# Altium PCB mantarray_beta_drv425_Mounting_Holes.PcbDoc (part 1 of 5) (continued)
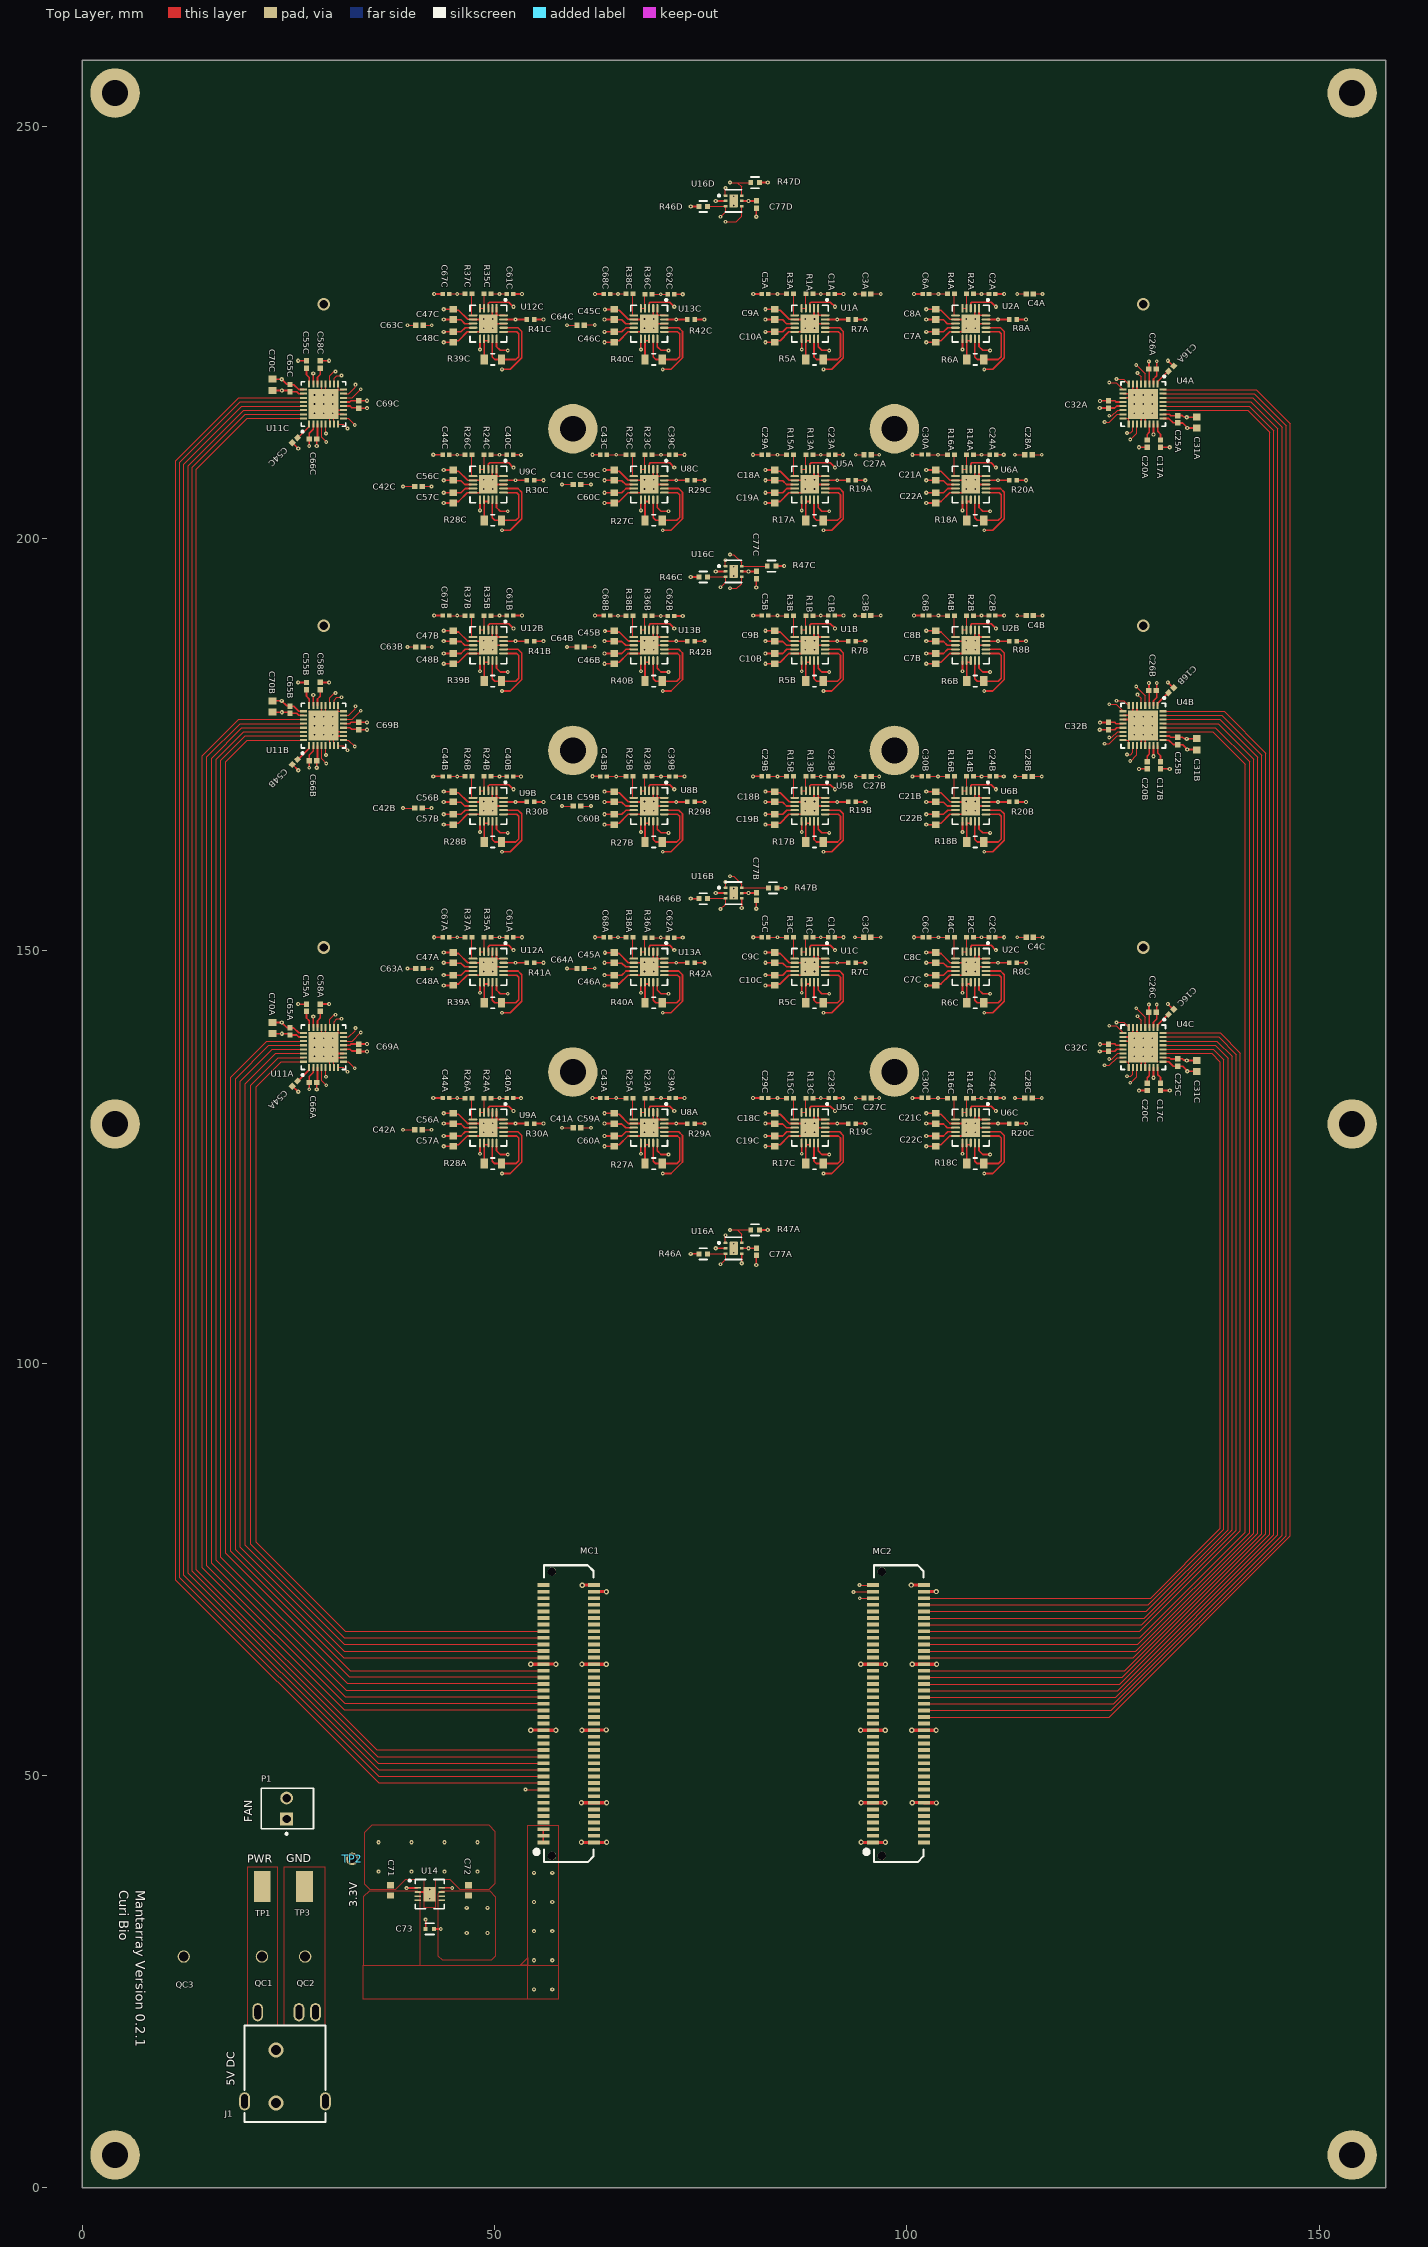
[diagram p0: Top Layer view]
## Classes and differential pairs (continued)
net class POWER: +5V AVDD GND REGCAPALA REGCAPALB REGCAPALC REGCAPARA REGCAPARB REGCAPARC REGCAPDLA REGCAPDLB REGCAPDLC REGCAPDRA REGCAPDRB REGCAPDRC
component class BRD1: MC1 MC2
differential pair A4LC: +A4LC_P -A4LC_N
differential pair A4LB: +A4LB_P -A4LB_N
differential pair A4LA: +A4LA_P -A4LA_N
differential pair A3LC: +A3LC_P -A3LC_N
differential pair A3LB: +A3LB_P -A3LB_N
differential pair A3LA: +A3LA_P -A3LA_N
differential pair A2LC: +A2LC_P -A2LC_N
differential pair A2LB: +A2LB_P -A2LB_N
differential pair A2LA: +A2LA_P -A2LA_N
differential pair A1LC: +A1LC_P -A1LC_N
differential pair A1LB: +A1LB_P -A1LB_N
differential pair A1LA: +A1LA_P -A1LA_N
differential pair A4RC: +A4RC_P -A4RC_N
differential pair A4RB: +A4RB_P -A4RB_N
differential pair A4RA: +A4RA_P -A4RA_N
differential pair A3RC: +A3RC_P -A3RC_N
differential pair A3RB: +A3RB_P -A3RB_N
differential pair A3RA: +A3RA_P -A3RA_N
differential pair A2RC: +A2RC_P -A2RC_N
differential pair A2RB: +A2RB_P -A2RB_N
differential pair A2RA: +A2RA_P -A2RA_N
differential pair A1RC: +A1RC_P -A1RC_N
differential pair A1RB: +A1RB_P -A1RB_N
differential pair A1RA: +A1RA_P -A1RA_N

## Components (designator, comment, footprint, x,y, rotation, side; value= is the part's Value field where it differs from the comment)
C1A "GRM155R71C103KA01J" CAPC1005X55X25LL05T10 90.875,229.65 r180 top (schematic designator C1)
C1B "GRM155R71C103KA01J" CAPC1005X55X25LL05T10 90.875,190.65 r180 top (schematic designator C1)
C1C "GRM155R71C103KA01J" CAPC1005X55X25LL05T10 90.875,151.65 r180 top (schematic designator C1)
C2A "GRM155R71C103KA01J" CAPC1005X55X25LL05T10 110.35,229.65 r180 top (schematic designator C2)
C2B "GRM155R71C103KA01J" CAPC1005X55X25LL05T10 110.35,190.65 r180 top (schematic designator C2)
C2C "GRM155R71C103KA01J" CAPC1005X55X25LL05T10 110.35,151.65 r180 top (schematic designator C2)
C3A "GRM155R71C104KA88D" CAPC1005X55X25NL05T10 95.205,229.65 r180 top (schematic designator C3)
C3B "GRM155R71C104KA88D" CAPC1005X55X25NL05T10 95.205,190.65 r180 top (schematic designator C3)
C3C "GRM155R71C104KA88D" CAPC1005X55X25NL05T10 95.205,151.65 r180 top (schematic designator C3)
C4A "GRM155R71C104KA88D" CAPC1005X55X25NL05T10 114.9,229.65 r180 top (schematic designator C4)
C4B "GRM155R71C104KA88D" CAPC1005X55X25NL05T10 114.9,190.65 r180 top (schematic designator C4)
C4C "GRM155R71C104KA88D" CAPC1005X55X25NL05T10 114.9,151.65 r180 top (schematic designator C4)
C5A "GRM155R71C103KA01J" CAPC1005X55X25LL05T10 82.81,229.65 r0 top (schematic designator C5)
C5B "GRM155R71C103KA01J" CAPC1005X55X25LL05T10 82.81,190.65 r0 top (schematic designator C5)
C5C "GRM155R71C103KA01J" CAPC1005X55X25LL05T10 82.81,151.65 r0 top (schematic designator C5)
C6A "GRM155R71C103KA01J" CAPC1005X55X25LL05T10 102.3,229.65 r0 top (schematic designator C6)
C6B "GRM155R71C103KA01J" CAPC1005X55X25LL05T10 102.3,190.65 r0 top (schematic designator C6)
C6C "GRM155R71C103KA01J" CAPC1005X55X25LL05T10 102.3,151.65 r0 top (schematic designator C6)
C7A "C0603C105K3RACTU" CAPC1608X87X35LL15T15 103.5,224.425 r90 top (schematic designator C7)
C7B "C0603C105K3RACTU" CAPC1608X87X35LL15T15 103.5,185.425 r90 top (schematic designator C7)
C7C "C0603C105K3RACTU" CAPC1608X87X35LL15T15 103.5,146.425 r90 top (schematic designator C7)
C8A "C0603C105K3RACTU" CAPC1608X87X35LL15T15 103.5,227.175 r270 top (schematic designator C8)
C8B "C0603C105K3RACTU" CAPC1608X87X35LL15T15 103.5,188.175 r270 top (schematic designator C8)
C8C "C0603C105K3RACTU" CAPC1608X87X35LL15T15 103.5,149.175 r270 top (schematic designator C8)
C9A "C0603C105K3RACTU" CAPC1608X87X35LL15T15 84,227.175 r270 top (schematic designator C9)
C9B "C0603C105K3RACTU" CAPC1608X87X35LL15T15 84,188.175 r270 top (schematic designator C9)
C9C "C0603C105K3RACTU" CAPC1608X87X35LL15T15 84,149.175 r270 top (schematic designator C9)
C10A "C0603C105K3RACTU" CAPC1608X87X35LL15T15 84,224.425 r90 top (schematic designator C10)
C10B "C0603C105K3RACTU" CAPC1608X87X35LL15T15 84,185.425 r90 top (schematic designator C10)
C10C "C0603C105K3RACTU" CAPC1608X87X35LL15T15 84,146.425 r90 top (schematic designator C10)
C16A "GRM155R71C104KA88D" CAPC1005X55X25NL05T10 132.039,220.589 r225 top (schematic designator C16)
C16B "GRM155R71C104KA88D" CAPC1005X55X25NL05T10 132.039,181.589 r225 top (schematic designator C16)
C16C "GRM155R71C104KA88D" CAPC1005X55X25NL05T10 132.039,142.589 r225 top (schematic designator C16)
C17A "GRM155R71C104KA88D" CAPC1005X55X25NL05T10 130.75,211.5 r90 top (schematic designator C17)
C17B "GRM155R71C104KA88D" CAPC1005X55X25NL05T10 130.75,172.5 r90 top (schematic designator C17)
C17C "GRM155R71C104KA88D" CAPC1005X55X25NL05T10 130.75,133.5 r90 top (schematic designator C17)
C18A "C0603C105K3RACTU" CAPC1608X87X35LL15T15 84,207.675 r270 top (schematic designator C18)
C18B "C0603C105K3RACTU" CAPC1608X87X35LL15T15 84,168.675 r270 top (schematic designator C18)
C18C "C0603C105K3RACTU" CAPC1608X87X35LL15T15 84,129.675 r270 top (schematic designator C18)
C19A "C0603C105K3RACTU" CAPC1608X87X35LL15T15 84,204.925 r90 top (schematic designator C19)
C19B "C0603C105K3RACTU" CAPC1608X87X35LL15T15 84,165.925 r90 top (schematic designator C19)
C19C "C0603C105K3RACTU" CAPC1608X87X35LL15T15 84,126.925 r90 top (schematic designator C19)
C20A "GRM155R71C104KA88D" CAPC1005X55X25NL05T10 129.15,211.5 r90 top (schematic designator C20)
C20B "GRM155R71C104KA88D" CAPC1005X55X25NL05T10 129.15,172.5 r90 top (schematic designator C20)
C20C "GRM155R71C104KA88D" CAPC1005X55X25NL05T10 129.15,133.5 r90 top (schematic designator C20)
C21A "C0603C105K3RACTU" CAPC1608X87X35LL15T15 103.5,207.675 r270 top (schematic designator C21)
C21B "C0603C105K3RACTU" CAPC1608X87X35LL15T15 103.5,168.675 r270 top (schematic designator C21)
C21C "C0603C105K3RACTU" CAPC1608X87X35LL15T15 103.5,129.675 r270 top (schematic designator C21)
C22A "C0603C105K3RACTU" CAPC1608X87X35LL15T15 103.5,204.925 r90 top (schematic designator C22)
C22B "C0603C105K3RACTU" CAPC1608X87X35LL15T15 103.5,165.925 r90 top (schematic designator C22)
C22C "C0603C105K3RACTU" CAPC1608X87X35LL15T15 103.5,126.925 r90 top (schematic designator C22)
C23A "GRM155R71C103KA01J" CAPC1005X55X25LL05T10 90.925,210.15 r180 top (schematic designator C23)
C23B "GRM155R71C103KA01J" CAPC1005X55X25LL05T10 90.925,171.15 r180 top (schematic designator C23)
C23C "GRM155R71C103KA01J" CAPC1005X55X25LL05T10 90.925,132.15 r180 top (schematic designator C23)
C24A "GRM155R71C103KA01J" CAPC1005X55X25LL05T10 110.43,210.15 r180 top (schematic designator C24)
C24B "GRM155R71C103KA01J" CAPC1005X55X25LL05T10 110.43,171.15 r180 top (schematic designator C24)
C24C "GRM155R71C103KA01J" CAPC1005X55X25LL05T10 110.43,132.15 r180 top (schematic designator C24)
C25A "GRM155R71C104KA88D" CAPC1005X55X25NL05T10 132.85,214.45 r90 top (schematic designator C25)
C25B "GRM155R71C104KA88D" CAPC1005X55X25NL05T10 132.85,175.45 r90 top (schematic designator C25)
C25C "GRM155R71C104KA88D" CAPC1005X55X25NL05T10 132.85,136.45 r90 top (schematic designator C25)
C26A "GRM155R71C104KA88D" CAPC1005X55X25NL05T10 129.8,220.55 r0 top (schematic designator C26)
C26B "GRM155R71C104KA88D" CAPC1005X55X25NL05T10 129.8,181.55 r0 top (schematic designator C26)
C26C "GRM155R71C104KA88D" CAPC1005X55X25NL05T10 129.8,142.55 r0 top (schematic designator C26)
C27A "GRM155R71C104KA88D" CAPC1005X55X25NL05T10 95.25,210.15 r180 top (schematic designator C27)
C27B "GRM155R71C104KA88D" CAPC1005X55X25NL05T10 95.25,171.15 r180 top (schematic designator C27)
C27C "GRM155R71C104KA88D" CAPC1005X55X25NL05T10 95.25,132.15 r180 top (schematic designator C27)
C28A "GRM155R71C104KA88D" CAPC1005X55X25NL05T10 114.75,210.15 r180 top (schematic designator C28)
C28B "GRM155R71C104KA88D" CAPC1005X55X25NL05T10 114.75,171.15 r180 top (schematic designator C28)
C28C "GRM155R71C104KA88D" CAPC1005X55X25NL05T10 114.75,132.15 r180 top (schematic designator C28)
C29A "GRM155R71C103KA01J" CAPC1005X55X25LL05T10 82.81,210.15 r0 top (schematic designator C29)
C29B "GRM155R71C103KA01J" CAPC1005X55X25LL05T10 82.81,171.15 r0 top (schematic designator C29)
C29C "GRM155R71C103KA01J" CAPC1005X55X25LL05T10 82.81,132.15 r0 top (schematic designator C29)
C30A "GRM155R71C103KA01J" CAPC1005X55X25LL05T10 102.22,210.175 r0 top (schematic designator C30)
C30B "GRM155R71C103KA01J" CAPC1005X55X25LL05T10 102.22,171.175 r0 top (schematic designator C30)
C30C "GRM155R71C103KA01J" CAPC1005X55X25LL05T10 102.22,132.175 r0 top (schematic designator C30)
C31A "GRM188R61C106MA73D" CAPC1608X90X35NL10T15 135.15,214.05 r90 top (schematic designator C31)
C31B "GRM188R61C106MA73D" CAPC1608X90X35NL10T15 135.15,175.05 r90 top (schematic designator C31)
C31C "GRM188R61C106MA73D" CAPC1608X90X35NL10T15 135.15,136.05 r90 top (schematic designator C31)
C32A "GRM155R71C104KA88D" CAPC1005X55X25NL05T10 124.433,216.248 r90 top (schematic designator C32)
C32B "GRM155R71C104KA88D" CAPC1005X55X25NL05T10 124.433,177.248 r90 top (schematic designator C32)
C32C "GRM155R71C104KA88D" CAPC1005X55X25NL05T10 124.433,138.248 r90 top (schematic designator C32)
C39A "GRM155R71C103KA01J" CAPC1005X55X25LL05T10 71.6,132.146 r180 top (schematic designator C39)
C39B "GRM155R71C103KA01J" CAPC1005X55X25LL05T10 71.6,171.146 r180 top (schematic designator C39)
C39C "GRM155R71C103KA01J" CAPC1005X55X25LL05T10 71.6,210.146 r180 top (schematic designator C39)
C40A "GRM155R71C103KA01J" CAPC1005X55X25LL05T10 51.89,132.146 r180 top (schematic designator C40)
C40B "GRM155R71C103KA01J" CAPC1005X55X25LL05T10 51.89,171.146 r180 top (schematic designator C40)
C40C "GRM155R71C103KA01J" CAPC1005X55X25LL05T10 51.89,210.146 r180 top (schematic designator C40)
C41A "GRM155R71C104KA88D" CAPC1005X55X25NL05T10 60,128.55 r0 top (schematic designator C41)
C41B "GRM155R71C104KA88D" CAPC1005X55X25NL05T10 60,167.55 r0 top (schematic designator C41)
C41C "GRM155R71C104KA88D" CAPC1005X55X25NL05T10 60,206.55 r0 top (schematic designator C41)
C42A "GRM155R71C104KA88D" CAPC1005X55X25NL05T10 40.79,128.3 r0 top (schematic designator C42)
C42B "GRM155R71C104KA88D" CAPC1005X55X25NL05T10 40.79,167.3 r0 top (schematic designator C42)
C42C "GRM155R71C104KA88D" CAPC1005X55X25NL05T10 40.79,206.3 r0 top (schematic designator C42)
C43A "GRM155R71C103KA01J" CAPC1005X55X25LL05T10 63.22,132.146 r0 top (schematic designator C43)
C43B "GRM155R71C103KA01J" CAPC1005X55X25LL05T10 63.22,171.146 r0 top (schematic designator C43)
C43C "GRM155R71C103KA01J" CAPC1005X55X25LL05T10 63.22,210.146 r0 top (schematic designator C43)
C44A "GRM155R71C103KA01J" CAPC1005X55X25LL05T10 44.135,132.146 r0 top (schematic designator C44)
C44B "GRM155R71C103KA01J" CAPC1005X55X25LL05T10 44.135,171.146 r0 top (schematic designator C44)
C44C "GRM155R71C103KA01J" CAPC1005X55X25LL05T10 44.135,210.146 r0 top (schematic designator C44)
C45A "C0603C105K3RACTU" CAPC1608X87X35LL15T15 64.5,149.175 r270 top (schematic designator C45)
C45B "C0603C105K3RACTU" CAPC1608X87X35LL15T15 64.5,188.175 r270 top (schematic designator C45)
C45C "C0603C105K3RACTU" CAPC1608X87X35LL15T15 64.5,227.175 r270 top (schematic designator C45)
C46A "C0603C105K3RACTU" CAPC1608X87X35LL15T15 64.5,146.425 r90 top (schematic designator C46)
C46B "C0603C105K3RACTU" CAPC1608X87X35LL15T15 64.5,185.425 r90 top (schematic designator C46)
C46C "C0603C105K3RACTU" CAPC1608X87X35LL15T15 64.5,224.425 r90 top (schematic designator C46)
C47A "C0603C105K3RACTU" CAPC1608X87X35LL15T15 45,149.175 r270 top (schematic designator C47)
C47B "C0603C105K3RACTU" CAPC1608X87X35LL15T15 45,188.175 r270 top (schematic designator C47)
C47C "C0603C105K3RACTU" CAPC1608X87X35LL15T15 45,227.175 r270 top (schematic designator C47)
C48A "C0603C105K3RACTU" CAPC1608X87X35LL15T15 45,146.425 r90 top (schematic designator C48)
C48B "C0603C105K3RACTU" CAPC1608X87X35LL15T15 45,185.425 r90 top (schematic designator C48)
C48C "C0603C105K3RACTU" CAPC1608X87X35LL15T15 45,224.425 r90 top (schematic designator C48)
C54A "GRM155R71C104KA88D" CAPC1005X55X25NL05T10 25.8,133.9 r45 top (schematic designator C54)
C54B "GRM155R71C104KA88D" CAPC1005X55X25NL05T10 25.8,172.9 r45 top (schematic designator C54)
C54C "GRM155R71C104KA88D" CAPC1005X55X25NL05T10 25.8,211.9 r45 top (schematic designator C54)
C55A "GRM155R71C104KA88D" CAPC1005X55X25NL05T10 27.202,143.09 r270 top (schematic designator C55)
C55B "GRM155R71C104KA88D" CAPC1005X55X25NL05T10 27.202,182.09 r270 top (schematic designator C55)
C55C "GRM155R71C104KA88D" CAPC1005X55X25NL05T10 27.202,221.09 r270 top (schematic designator C55)
C56A "C0603C105K3RACTU" CAPC1608X87X35LL15T15 45,129.675 r270 top (schematic designator C56)
C56B "C0603C105K3RACTU" CAPC1608X87X35LL15T15 45,168.675 r270 top (schematic designator C56)
C56C "C0603C105K3RACTU" CAPC1608X87X35LL15T15 45,207.675 r270 top (schematic designator C56)
C57A "C0603C105K3RACTU" CAPC1608X87X35LL15T15 45,126.925 r90 top (schematic designator C57)
C57B "C0603C105K3RACTU" CAPC1608X87X35LL15T15 45,165.925 r90 top (schematic designator C57)
C57C "C0603C105K3RACTU" CAPC1608X87X35LL15T15 45,204.925 r90 top (schematic designator C57)
C58A "GRM155R71C104KA88D" CAPC1005X55X25NL05T10 28.872,143.1 r270 top (schematic designator C58)
C58B "GRM155R71C104KA88D" CAPC1005X55X25NL05T10 28.872,182.1 r270 top (schematic designator C58)
C58C "GRM155R71C104KA88D" CAPC1005X55X25NL05T10 28.872,221.1 r270 top (schematic designator C58)
C59A "C0603C105K3RACTU" CAPC1608X87X35LL15T15 64.5,129.675 r270 top (schematic designator C59)
C59B "C0603C105K3RACTU" CAPC1608X87X35LL15T15 64.5,168.675 r270 top (schematic designator C59)
C59C "C0603C105K3RACTU" CAPC1608X87X35LL15T15 64.5,207.675 r270 top (schematic designator C59)
C60A "C0603C105K3RACTU" CAPC1608X87X35LL15T15 64.5,126.925 r90 top (schematic designator C60)
C60B "C0603C105K3RACTU" CAPC1608X87X35LL15T15 64.5,165.925 r90 top (schematic designator C60)
C60C "C0603C105K3RACTU" CAPC1608X87X35LL15T15 64.5,204.925 r90 top (schematic designator C60)
C61A "GRM155R71C103KA01J" CAPC1005X55X25LL05T10 51.89,151.65 r180 top (schematic designator C61)
C61B "GRM155R71C103KA01J" CAPC1005X55X25LL05T10 51.89,190.65 r180 top (schematic designator C61)
C61C "GRM155R71C103KA01J" CAPC1005X55X25LL05T10 51.89,229.65 r180 top (schematic designator C61)
C62A "GRM155R71C103KA01J" CAPC1005X55X25LL05T10 71.39,151.6 r180 top (schematic designator C62)
C62B "GRM155R71C103KA01J" CAPC1005X55X25LL05T10 71.39,190.6 r180 top (schematic designator C62)
C62C "GRM155R71C103KA01J" CAPC1005X55X25LL05T10 71.39,229.6 r180 top (schematic designator C62)
C63A "GRM155R71C104KA88D" CAPC1005X55X25NL05T10 40.9,147.85 r0 top (schematic designator C63)
C63B "GRM155R71C104KA88D" CAPC1005X55X25NL05T10 40.9,186.85 r0 top (schematic designator C63)
C63C "GRM155R71C104KA88D" CAPC1005X55X25NL05T10 40.9,225.85 r0 top (schematic designator C63)
C64A "GRM155R71C104KA88D" CAPC1005X55X25NL05T10 60.45,147.85 r0 top (schematic designator C64)
C64B "GRM155R71C104KA88D" CAPC1005X55X25NL05T10 60.45,186.85 r0 top (schematic designator C64)
C64C "GRM155R71C104KA88D" CAPC1005X55X25NL05T10 60.45,225.85 r0 top (schematic designator C64)
C65A "GRM155R71C104KA88D" CAPC1005X55X25NL05T10 25.228,140.229 r270 top (schematic designator C65)
C65B "GRM155R71C104KA88D" CAPC1005X55X25NL05T10 25.228,179.229 r270 top (schematic designator C65)
C65C "GRM155R71C104KA88D" CAPC1005X55X25NL05T10 25.228,218.229 r270 top (schematic designator C65)
C66A "GRM155R71C104KA88D" CAPC1005X55X25NL05T10 28,134.05 r180 top (schematic designator C66)
C66B "GRM155R71C104KA88D" CAPC1005X55X25NL05T10 28,173.05 r180 top (schematic designator C66)
C66C "GRM155R71C104KA88D" CAPC1005X55X25NL05T10 28,212.05 r180 top (schematic designator C66)
C67A "GRM155R71C103KA01J" CAPC1005X55X25LL05T10 44.135,151.65 r0 top (schematic designator C67)
C67B "GRM155R71C103KA01J" CAPC1005X55X25LL05T10 44.135,190.65 r0 top (schematic designator C67)
C67C "GRM155R71C103KA01J" CAPC1005X55X25LL05T10 44.135,229.65 r0 top (schematic designator C67)
C68A "GRM155R71C103KA01J" CAPC1005X55X25LL05T10 63.635,151.65 r0 top (schematic designator C68)
C68B "GRM155R71C103KA01J" CAPC1005X55X25LL05T10 63.635,190.65 r0 top (schematic designator C68)
C68C "GRM155R71C103KA01J" CAPC1005X55X25LL05T10 63.635,229.65 r0 top (schematic designator C68)
C69A "GRM155R71C104KA88D" CAPC1005X55X25NL05T10 33.55,138.25 r270 top (schematic designator C69)
C69B "GRM155R71C104KA88D" CAPC1005X55X25NL05T10 33.55,177.25 r270 top (schematic designator C69)
C69C "GRM155R71C104KA88D" CAPC1005X55X25NL05T10 33.55,216.25 r270 top (schematic designator C69)
C70A "GRM188R61C106MA73D" CAPC1608X90X35NL10T15 23.069,140.636 r270 top (schematic designator C70)
C70B "GRM188R61C106MA73D" CAPC1608X90X35NL10T15 23.069,179.636 r270 top (schematic designator C70)
C70C "GRM188R61C106MA73D" CAPC1608X90X35NL10T15 23.069,218.636 r270 top (schematic designator C70)
C71 "GRM188R61E475KE11D" CAPC1608X90X35LL10T15 37.4,36.075 r270 top
C72 "GRM188R61E475KE11D" CAPC1608X90X35LL10T15 46.85,36.075 r270 top
C73 "CC0402KRX7R7BB103" FP-CC0402-MFG 42.15,31.4 r180 top value="10 nF"
C77A "GRM155R71C104KA88D" CAPC1005X55X25NL05T10 81.75,113.5 r90 top (schematic designator C77)
C77B "GRM155R71C104KA88D" CAPC1005X55X25NL05T10 81.75,156.575 r90 top (schematic designator C77)
C77C "GRM155R71C104KA88D" CAPC1005X55X25NL05T10 81.75,195.575 r90 top (schematic designator C77)
C77D "GRM155R71C104KA88D" CAPC1005X55X25NL05T10 81.75,240.5 r90 top (schematic designator C77)
J1 "PJ-001AH-67" PJ-001AH-67 21.3,21.3 r90 top
MC1 "XEM7310-MC1" BTE040 59.003,57.496 r90 top locked
MC2 "XEM7310-MC2" BTE040 99.003,57.496 r90 top locked
P1 "22-23-2021" MOLX-22-23-2021_V 24.8,46 r90 top
QC1 "62395-1" 62395-1 21.8,28.05 r0 top
QC2 "62395-1" 62395-1 27.05,28.05 r0 top
QC3 "62395-1" 62395-1 12.324,28.05 r0 top
R1A "RC0402FR-071KL" RESC1005X40X25NL05T10 88.175,229.65 r0 top (schematic designator R1)
R1B "RC0402FR-071KL" RESC1005X40X25NL05T10 88.175,190.65 r0 top (schematic designator R1)
R1C "RC0402FR-071KL" RESC1005X40X25NL05T10 88.175,151.65 r0 top (schematic designator R1)
R2A "RC0402FR-071KL" RESC1005X40X25NL05T10 107.65,229.65 r0 top (schematic designator R2)
R2B "RC0402FR-071KL" RESC1005X40X25NL05T10 107.65,190.65 r0 top (schematic designator R2)
R2C "RC0402FR-071KL" RESC1005X40X25NL05T10 107.65,151.65 r0 top (schematic designator R2)
R3A "RC0402FR-071KL" RESC1005X40X25NL05T10 85.85,229.65 r180 top (schematic designator R3)
R3B "RC0402FR-071KL" RESC1005X40X25NL05T10 85.85,190.65 r180 top (schematic designator R3)
R3C "RC0402FR-071KL" RESC1005X40X25NL05T10 85.85,151.65 r180 top (schematic designator R3)
R4A "RC0402FR-071KL" RESC1005X40X25NL05T10 105.35,229.65 r180 top (schematic designator R4)
R4B "RC0402FR-071KL" RESC1005X40X25NL05T10 105.35,190.65 r180 top (schematic designator R4)
R4C "RC0402FR-071KL" RESC1005X40X25NL05T10 105.35,151.65 r180 top (schematic designator R4)
R5A "RT0805BRD0722RL" FP-RT0805-MFG#1 88.8,221.7 r180 top value=22Ω (schematic designator R5)
R5B "RT0805BRD0722RL" FP-RT0805-MFG#2 88.8,182.7 r180 top value=22Ω (schematic designator R5)
R5C "RT0805BRD0722RL" FP-RT0805-MFG#2 88.8,143.7 r180 top value=22Ω (schematic designator R5)
R6A "RT0805BRD0722RL" FP-RT0805-MFG#1 108.3,221.7 r180 top value=22Ω (schematic designator R6)
R6B "RT0805BRD0722RL" FP-RT0805-MFG#2 108.3,182.7 r180 top value=22Ω (schematic designator R6)
R6C "RT0805BRD0722RL" FP-RT0805-MFG#2 108.3,143.7 r180 top value=22Ω (schematic designator R6)
R7A "CRCW040210K0FKED" RESC1005X40X25NL05T05 93.35,226.55 r180 top (schematic designator R7)
R7B "CRCW040210K0FKED" RESC1005X40X25NL05T05 93.35,187.55 r180 top (schematic designator R7)
R7C "CRCW040210K0FKED" RESC1005X40X25NL05T05 93.35,148.55 r180 top (schematic designator R7)
R8A "CRCW040210K0FKED" RESC1005X40X25NL05T05 112.85,226.55 r180 top (schematic designator R8)
R8B "CRCW040210K0FKED" RESC1005X40X25NL05T05 112.85,187.55 r180 top (schematic designator R8)
R8C "CRCW040210K0FKED" RESC1005X40X25NL05T05 112.85,148.55 r180 top (schematic designator R8)
R13A "RC0402FR-071KL" RESC1005X40X25NL05T10 88.175,210.15 r0 top (schematic designator R13)
R13B "RC0402FR-071KL" RESC1005X40X25NL05T10 88.175,171.15 r0 top (schematic designator R13)
R13C "RC0402FR-071KL" RESC1005X40X25NL05T10 88.175,132.15 r0 top (schematic designator R13)
R14A "RC0402FR-071KL" RESC1005X40X25NL05T10 107.675,210.15 r180 top (schematic designator R14)
R14B "RC0402FR-071KL" RESC1005X40X25NL05T10 107.675,171.15 r180 top (schematic designator R14)
R14C "RC0402FR-071KL" RESC1005X40X25NL05T10 107.675,132.15 r180 top (schematic designator R14)
R15A "RC0402FR-071KL" RESC1005X40X25NL05T10 85.85,210.15 r180 top (schematic designator R15)
R15B "RC0402FR-071KL" RESC1005X40X25NL05T10 85.85,171.15 r180 top (schematic designator R15)
R15C "RC0402FR-071KL" RESC1005X40X25NL05T10 85.85,132.15 r180 top (schematic designator R15)
R16A "RC0402FR-071KL" RESC1005X40X25NL05T10 105.35,210.15 r0 top (schematic designator R16)
R16B "RC0402FR-071KL" RESC1005X40X25NL05T10 105.35,171.15 r0 top (schematic designator R16)
R16C "RC0402FR-071KL" RESC1005X40X25NL05T10 105.35,132.15 r0 top (schematic designator R16)
R17A "RT0805BRD0722RL" FP-RT0805-MFG#1 88.8,202.2 r180 top value=22Ω (schematic designator R17)
R17B "RT0805BRD0722RL" FP-RT0805-MFG#2 88.8,163.2 r180 top value=22Ω (schematic designator R17)
R17C "RT0805BRD0722RL" FP-RT0805-MFG#2 88.8,124.2 r180 top value=22Ω (schematic designator R17)
R18A "RT0805BRD0722RL" FP-RT0805-MFG#1 108.3,202.2 r180 top value=22Ω (schematic designator R18)
R18B "RT0805BRD0722RL" FP-RT0805-MFG#2 108.3,163.2 r180 top value=22Ω (schematic designator R18)
R18C "RT0805BRD0722RL" FP-RT0805-MFG#2 108.3,124.2 r180 top value=22Ω (schematic designator R18)
R19A "CRCW040210K0FKED" RESC1005X40X25NL05T05 93.35,207.05 r180 top (schematic designator R19)
R19B "CRCW040210K0FKED" RESC1005X40X25NL05T05 93.35,168.05 r180 top (schematic designator R19)
R19C "CRCW040210K0FKED" RESC1005X40X25NL05T05 93.35,129.05 r180 top (schematic designator R19)
R20A "CRCW040210K0FKED" RESC1005X40X25NL05T05 112.85,207.05 r180 top (schematic designator R20)
R20B "CRCW040210K0FKED" RESC1005X40X25NL05T05 112.85,168.05 r180 top (schematic designator R20)
R20C "CRCW040210K0FKED" RESC1005X40X25NL05T05 112.85,129.05 r180 top (schematic designator R20)
R23A "RC0402FR-071KL" RESC1005X40X25NL05T10 68.675,132.146 r180 top (schematic designator R23)
R23B "RC0402FR-071KL" RESC1005X40X25NL05T10 68.675,171.146 r180 top (schematic designator R23)
R23C "RC0402FR-071KL" RESC1005X40X25NL05T10 68.675,210.146 r180 top (schematic designator R23)
R24A "RC0402FR-071KL" RESC1005X40X25NL05T10 49.175,132.146 r180 top (schematic designator R24)
R24B "RC0402FR-071KL" RESC1005X40X25NL05T10 49.175,171.146 r180 top (schematic designator R24)
R24C "RC0402FR-071KL" RESC1005X40X25NL05T10 49.175,210.146 r180 top (schematic designator R24)
R25A "RC0402FR-071KL" RESC1005X40X25NL05T10 66.35,132.146 r0 top (schematic designator R25)
R25B "RC0402FR-071KL" RESC1005X40X25NL05T10 66.35,171.146 r0 top (schematic designator R25)
R25C "RC0402FR-071KL" RESC1005X40X25NL05T10 66.35,210.146 r0 top (schematic designator R25)
R26A "RC0402FR-071KL" RESC1005X40X25NL05T10 46.85,132.146 r0 top (schematic designator R26)
R26B "RC0402FR-071KL" RESC1005X40X25NL05T10 46.85,171.146 r0 top (schematic designator R26)
R26C "RC0402FR-071KL" RESC1005X40X25NL05T10 46.85,210.146 r0 top (schematic designator R26)
R27A "RT0805BRD0722RL" FP-RT0805-MFG#2 69.3,124.2 r180 top value=22Ω (schematic designator R27)
R27B "RT0805BRD0722RL" FP-RT0805-MFG#2 69.3,163.2 r180 top value=22Ω (schematic designator R27)
R27C "RT0805BRD0722RL" FP-RT0805-MFG#2 69.3,202.2 r180 top value=22Ω (schematic designator R27)
R28A "RT0805BRD0722RL" FP-RT0805-MFG#2 49.8,124.2 r180 top value=22Ω (schematic designator R28)
R28B "RT0805BRD0722RL" FP-RT0805-MFG#2 49.8,163.2 r180 top value=22Ω (schematic designator R28)
R28C "RT0805BRD0722RL" FP-RT0805-MFG#2 49.8,202.2 r180 top value=22Ω (schematic designator R28)
R29A "CRCW040210K0FKED" RESC1005X40X25NL05T05 73.85,129.05 r180 top (schematic designator R29)
R29B "CRCW040210K0FKED" RESC1005X40X25NL05T05 73.85,168.05 r180 top (schematic designator R29)
R29C "CRCW040210K0FKED" RESC1005X40X25NL05T05 73.85,207.05 r180 top (schematic designator R29)
R30A "CRCW040210K0FKED" RESC1005X40X25NL05T05 54.35,129.05 r180 top (schematic designator R30)
R30B "CRCW040210K0FKED" RESC1005X40X25NL05T05 54.35,168.05 r180 top (schematic designator R30)
R30C "CRCW040210K0FKED" RESC1005X40X25NL05T05 54.35,207.05 r180 top (schematic designator R30)
R35A "RC0402FR-071KL" RESC1005X40X25NL05T10 49.175,151.65 r180 top (schematic designator R35)
R35B "RC0402FR-071KL" RESC1005X40X25NL05T10 49.175,190.65 r180 top (schematic designator R35)
R35C "RC0402FR-071KL" RESC1005X40X25NL05T10 49.175,229.65 r180 top (schematic designator R35)
R36A "RC0402FR-071KL" RESC1005X40X25NL05T10 68.675,151.6 r180 top (schematic designator R36)
R36B "RC0402FR-071KL" RESC1005X40X25NL05T10 68.675,190.6 r180 top (schematic designator R36)
R36C "RC0402FR-071KL" RESC1005X40X25NL05T10 68.675,229.6 r180 top (schematic designator R36)
R37A "RC0402FR-071KL" RESC1005X40X25NL05T10 46.85,151.65 r0 top (schematic designator R37)
R37B "RC0402FR-071KL" RESC1005X40X25NL05T10 46.85,190.65 r0 top (schematic designator R37)
R37C "RC0402FR-071KL" RESC1005X40X25NL05T10 46.85,229.65 r0 top (schematic designator R37)
R38A "RC0402FR-071KL" RESC1005X40X25NL05T10 66.35,151.65 r0 top (schematic designator R38)
R38B "RC0402FR-071KL" RESC1005X40X25NL05T10 66.35,190.65 r0 top (schematic designator R38)
R38C "RC0402FR-071KL" RESC1005X40X25NL05T10 66.35,229.65 r0 top (schematic designator R38)
R39A "RT0805BRD0722RL" FP-RT0805-MFG#2 49.8,143.7 r180 top value=22Ω (schematic designator R39)
R39B "RT0805BRD0722RL" FP-RT0805-MFG#2 49.8,182.7 r180 top value=22Ω (schematic designator R39)
R39C "RT0805BRD0722RL" FP-RT0805-MFG#2 49.8,221.7 r180 top value=22Ω (schematic designator R39)
R40A "RT0805BRD0722RL" FP-RT0805-MFG#2 69.3,143.7 r180 top value=22Ω (schematic designator R40)
R40B "RT0805BRD0722RL" FP-RT0805-MFG#2 69.3,182.7 r180 top value=22Ω (schematic designator R40)
R40C "RT0805BRD0722RL" FP-RT0805-MFG#2 69.3,221.7 r180 top value=22Ω (schematic designator R40)
R41A "CRCW040210K0FKED" RESC1005X40X25NL05T05 54.35,148.55 r180 top (schematic designator R41)
R41B "CRCW040210K0FKED" RESC1005X40X25NL05T05 54.35,187.55 r180 top (schematic designator R41)
R41C "CRCW040210K0FKED" RESC1005X40X25NL05T05 54.35,226.55 r180 top (schematic designator R41)
R42A "CRCW040210K0FKED" RESC1005X40X25NL05T05 73.85,148.55 r180 top (schematic designator R42)
R42B "CRCW040210K0FKED" RESC1005X40X25NL05T05 73.85,187.55 r180 top (schematic designator R42)
R42C "CRCW040210K0FKED" RESC1005X40X25NL05T05 73.85,226.55 r180 top (schematic designator R42)
R46A "CRCW04025K10FKED" FP-CRCW0402-e3-MFG 75.32,113.25 r180 top value=5.1kΩ (schematic designator R46)
R46B "CRCW04025K10FKED" FP-CRCW0402-e3-MFG 75.32,156.325 r180 top value=5.1kΩ (schematic designator R46)
R46C "CRCW04025K10FKED" FP-CRCW0402-e3-MFG 75.32,195.325 r180 top value=5.1kΩ (schematic designator R46)
R46D "CRCW04025K10FKED" FP-CRCW0402-e3-MFG 75.32,240.25 r180 top value=5.1kΩ (schematic designator R46)
R47A "CRCW04025K10FKED" FP-CRCW0402-e3-MFG 81.6,116.15 r180 top value=5.1kΩ (schematic designator R47)
R47B "CRCW04025K10FKED" FP-CRCW0402-e3-MFG 83.75,157.625 r180 top value=5.1kΩ (schematic designator R47)
R47C "CRCW04025K10FKED" FP-CRCW0402-e3-MFG 83.6,196.65 r180 top value=5.1kΩ (schematic designator R47)
R47D "CRCW04025K10FKED" FP-CRCW0402-e3-MFG 81.6,243.15 r180 top value=5.1kΩ (schematic designator R47)
TP1 "5019" KSTN-5019_V 21.85,36.55 r90 top
TP2 "TESTPOINT" TP_MED 32.75,39.9 r90 top
TP3 "5019" KSTN-5019_V 26.975,36.55 r90 top
U1A "DRV425" QFN50P400X400X80_HS-21N 88.25,226.05 r270 top (schematic designator U1)
U1B "DRV425" QFN50P400X400X80_HS-21N 88.25,187.05 r270 top (schematic designator U1)
U1C "DRV425" QFN50P400X400X80_HS-21N 88.25,148.05 r270 top (schematic designator U1)
U2A "DRV425" QFN50P400X400X80_HS-21N 107.75,226.05 r270 top (schematic designator U2)
U2B "DRV425" QFN50P400X400X80_HS-21N 107.75,187.05 r270 top (schematic designator U2)
U2C "DRV425" QFN50P400X400X80_HS-21N 107.75,148.05 r270 top (schematic designator U2)
U4A "AD7124-8" QFN50P500X500X80_HS-33N 128.66,216.3 r270 top (schematic designator U4)
U4B "AD7124-8" QFN50P500X500X80_HS-33N 128.66,177.3 r270 top (schematic designator U4)
U4C "AD7124-8" QFN50P500X500X80_HS-33N 128.66,138.3 r270 top (schematic designator U4)
U5A "DRV425" QFN50P400X400X80_HS-21N 88.25,206.55 r270 top (schematic designator U5)
U5B "DRV425" QFN50P400X400X80_HS-21N 88.25,167.55 r270 top (schematic designator U5)
U5C "DRV425" QFN50P400X400X80_HS-21N 88.25,128.55 r270 top (schematic designator U5)
U6A "DRV425" QFN50P400X400X80_HS-21N 107.75,206.55 r270 top (schematic designator U6)
U6B "DRV425" QFN50P400X400X80_HS-21N 107.75,167.55 r270 top (schematic designator U6)
U6C "DRV425" QFN50P400X400X80_HS-21N 107.75,128.55 r270 top (schematic designator U6)
U8A "DRV425" QFN50P400X400X80_HS-21N 68.75,128.55 r270 top (schematic designator U8)
U8B "DRV425" QFN50P400X400X80_HS-21N 68.75,167.55 r270 top (schematic designator U8)
U8C "DRV425" QFN50P400X400X80_HS-21N 68.75,206.55 r270 top (schematic designator U8)
U9A "DRV425" QFN50P400X400X80_HS-21N 49.25,128.55 r270 top (schematic designator U9)
U9B "DRV425" QFN50P400X400X80_HS-21N 49.25,167.55 r270 top (schematic designator U9)
U9C "DRV425" QFN50P400X400X80_HS-21N 49.25,206.55 r270 top (schematic designator U9)
U11A "AD7124-8" QFN50P500X500X80_HS-33N 29.287,138.3 r90 top (schematic designator U11)
U11B "AD7124-8" QFN50P500X500X80_HS-33N 29.287,177.3 r90 top (schematic designator U11)
U11C "AD7124-8" QFN50P500X500X80_HS-33N 29.287,216.3 r90 top (schematic designator U11)
U12A "DRV425" QFN50P400X400X80_HS-21N 49.25,148.05 r270 top (schematic designator U12)
U12B "DRV425" QFN50P400X400X80_HS-21N 49.25,187.05 r270 top (schematic designator U12)
U12C "DRV425" QFN50P400X400X80_HS-21N 49.25,226.05 r270 top (schematic designator U12)
U13A "DRV425" QFN50P400X400X80_HS-21N 68.75,148.05 r270 top (schematic designator U13)
U13B "DRV425" QFN50P400X400X80_HS-21N 68.75,187.05 r270 top (schematic designator U13)
U13C "DRV425" QFN50P400X400X80_HS-21N 68.75,226.05 r270 top (schematic designator U13)
U14 "ADP1706ACPZ-3.3-R7" ADI-CP-8-2_L 42.15,35.625 r0 top
U16A "TMP117AIDRVR" FP-DRV0006A-MFG 79,113.925 r0 top (schematic designator U16)
U16B "TMP117AIDRVR" FP-DRV0006A-MFG 79,157 r0 top (schematic designator U16)
U16C "TMP117AIDRVR" FP-DRV0006A-MFG 79,196 r0 top (schematic designator U16)
U16D "TMP117AIDRVR" FP-DRV0006A-MFG 79,240.925 r0 top (schematic designator U16)

## Footprints (in the part's own frame and the unit in brackets; to place one, negate y for a bottom-side part, rotate by r counter-clockwise, add the part's x,y. Pads: shape width x height; smd on the part's side, far side on the other; paste and mask are expansions set on the pad)
62395-1 [mm]
  round 1.5 hole 1.2: 1(0,0)
  body extent -0.25,-1.98 0.25,1.98, height 8.38
ADI-CP-8-2_L [mm] "QFN, 8-Leads, Body 3x3mm, Pitch 0.5mm, Thermal Pad 1.45X1.74mm, IPC High Density"
  oval 0.8x0.2 smd: 1(-1.45,0.75) 2(-1.45,0.25) 3(-1.45,-0.25) 4(-1.45,-0.75) 5(1.45,-0.75) 6(1.45,-0.25) 7(1.45,0.25) 8(1.45,0.75)
  rect 1.45x1.74 smd: 9(0,0)
  silkscreen extent -2.55,-1.78 1.78,1.78, body extent -1.63,-1.63 1.63,1.63, height 0.9
BTE040 [mm]
  rect 0.46x1.45 smd: 1(-15.6,3.085) 2(-15.6,-3.085) 3(-14.8,3.085) 4(-14.8,-3.085) 5(-14,3.085) 6(-14,-3.085) 7(-13.2,3.085) 8(-13.2,-3.085) 9(-12.4,3.085) 10(-12.4,-3.085) 11(-11.6,3.085) 12(-11.6,-3.085) 13(-10.8,3.085) 14(-10.8,-3.085) 15(-10,3.085) 16(-10,-3.085) 17(-9.2,3.085) 18(-9.2,-3.085) 19(-8.4,3.085) 20(-8.4,-3.085) 21(-7.6,3.085) 22(-7.6,-3.085) 23(-6.8,3.085) 24(-6.8,-3.085) 25(-6,3.085) 26(-6,-3.085) 27(-5.2,3.085) 28(-5.2,-3.085) 29(-4.4,3.085) 30(-4.4,-3.085) 31(-3.6,3.085) 32(-3.6,-3.085) 33(-2.8,3.085) 34(-2.8,-3.085) 35(-2,3.085) 36(-2,-3.085) 37(-1.2,3.085) 38(-1.2,-3.085) 39(-0.4,3.085) 40(-0.4,-3.085) 41(0.4,3.085) 42(0.4,-3.085) 43(1.2,3.085) 44(1.2,-3.085) 45(2,3.085) 46(2,-3.085) 47(2.8,3.085) 48(2.8,-3.085) 49(3.6,3.085) 50(3.6,-3.085) 51(4.4,3.085) 52(4.4,-3.085) 53(5.2,3.085) 54(5.2,-3.085) 55(6,3.085) 56(6,-3.085) 57(6.8,3.085) 58(6.8,-3.085) 59(7.6,3.085) 60(7.6,-3.085) 61(8.4,3.085) 62(8.4,-3.085) 63(9.2,3.085) 64(9.2,-3.085) 65(10,3.085) 66(10,-3.085) 67(10.8,3.085) 68(10.8,-3.085) 69(11.6,3.085) 70(11.6,-3.085) 71(12.4,3.085) 72(12.4,-3.085) 73(13.2,3.085) 74(13.2,-3.085) 75(14,3.085) 76(14,-3.085) 77(14.8,3.085) 78(14.8,-3.085) 79(15.6,3.085) 80(15.6,-3.085)
  round 1.02 hole 1.02: 81(-17.235,2.035) 82(17.235,2.035)
  silkscreen extent -18,-3 18,4.15
CAPC1005X55X25LL05T10 [mm] "Chip Capacitor, 2-Leads, Body 1.00x0.50mm, IPC High Density"
  rect 0.56x0.52 smd: 1(-0.39,0) 2(0.39,0)
  body extent -0.53,-0.28 0.53,0.28, height 0.55
CAPC1005X55X25NL05T10 [mm] "Chip Capacitor, 2-Leads, Body 1.05x0.55mm, IPC Medium Density"
  rect 0.66x0.62 smd: 1(-0.44,0) 2(0.44,0)
  body extent -0.53,-0.28 0.53,0.28, height 0.55
CAPC1608X87X35LL15T15 [mm] "Chip Capacitor, 2-Leads, Body 1.60x0.80mm, IPC High Density"
  rect 0.8x0.9 smd: 1(-0.625,0) 2(0.625,0)
  body extent -0.87,-0.48 0.87,0.48, height 0.87
CAPC1608X90X35LL10T15 [mm] "Chip Capacitor, 2-Leads, Body 1.60x0.80mm, IPC High Density"
  rect 0.75x0.85 smd: 1(-0.625,0) 2(0.625,0)
  body extent -0.85,-0.45 0.85,0.45, height 0.9
CAPC1608X90X35NL10T15 [mm] "Chip Capacitor, 2-Leads, Body 1.60x0.80mm, IPC Medium Density"
  rect 0.85x0.95 smd: 1(-0.675,0) 2(0.675,0)
  body extent -0.85,-0.45 0.85,0.45, height 0.9
FP-CC0402-MFG [mm]
  rect 0.5x0.5 smd paste+0 mask+0: 1(-0.5,0) 2(0.5,0)
  silkscreen extent -0.53,-0.68 0.53,0.67, body extent -0.87,-0.48 0.87,0.48, height 0.25
FP-CRCW0402-e3-MFG [mm]
  rect 0.6x0.6 smd paste+0 mask+0: 1(-0.525,0) 2(0.525,0)
  silkscreen extent -0.5,-0.67 0.5,0.67, body extent -0.92,-0.4 0.92,0.4, height 0.25
FP-DRV0006A-MFG [mm]
  rrect33% 0.45x0.3 smd paste+0 mask+0: 1(-0.975,0.65) 2(-0.975,0) 3(-0.975,-0.65) 4(0.975,-0.65) 5(0.975,0) 6(0.975,0.65)
  rrect10% 1x1.6 smd paste-1000 mask+0: 7(0,0)
  silkscreen extent -1.9,-1.35 1,1.35, body extent -1.3,-1.15 1.3,1.15, height 0.25
FP-RT0805-MFG#1 [mm]
  rect 0.9x1.2 smd paste+0 mask+0: 1(-1.05,0) 2(1.05,0)
  silkscreen extent -0.23,-0.67 0.23,0.67, body extent -1.6,-0.77 1.6,0.77, height 0.25
FP-RT0805-MFG#2 [mm]
  rect 0.9x1.2 smd: 1(-1.05,0) 2(1.05,0)
  silkscreen extent -0.23,-0.67 0.23,0.67, body extent -1.6,-0.77 1.6,0.77, height 0.25
KSTN-5019_V [mm] "Test Point, 1-Leads, Body 3.81x2.03mm"
  rect 3.8x2.03 smd: 1(0,0)
  body extent -1.9,-1.01 1.9,1.02, height 2.29
MOLX-22-23-2021_V [mm] "THD, 2-Leads, Body 6.35x4.93mm, Pitch 2.54mm"
  rect 1.55x1.55 hole 1.02: 1(-1.27,0)
  round 1.55 hole 1.02: 2(1.27,0)
  silkscreen extent -3.19,-3.25 2.46,3.1, body extent -2.46,-3.25 2.46,3.1, height 10.66
PJ-001AH-67 [mm]
  oval 2.2x1.3 hole 0.8 slot 1.7 at 0 deg: 1(0,0) 2(0,-7) 3(0,-5) ""(-10.8,-8.2) ""(-10.8,1.6)
  silkscreen extent -13.3,-8.2 -1.6,1.6, body extent -16.65,-8.4 0.65,2.25, height 8.2
QFN50P400X400X80_HS-21N [mm] "QFN, 20-Leads, Body 4.00x4.00mm, Pitch 0.50mm, Thermal Pad 2.25x2.25mm, IPC Medium Density"
  oval 1.05x0.25 smd: 1(-1.85,1) 2(-1.85,0.5) 3(-1.85,0) 4(-1.85,-0.5) 5(-1.85,-1) 11(1.85,-1) 12(1.85,-0.5) 13(1.85,0) 14(1.85,0.5) 15(1.85,1)
  oval 0.25x1.05 smd: 6(-1,-1.85) 7(-0.5,-1.85) 8(0,-1.85) 9(0.5,-1.85) 10(1,-1.85) 16(1,1.85) 17(0.5,1.85) 18(0,1.85) 19(-0.5,1.85) 20(-1,1.85)
  rect 2.25x2.25 smd: 21(0,0)
  silkscreen extent -3,-2.23 2.23,2.22, body extent -2.07,-2.08 2.08,2.07, height 0.8
QFN50P500X500X80_HS-33N [mm] "QFN, 32-Leads, Body 5.00x5.00mm, Pitch 0.50mm, Thermal Pad 3.65x3.65mm, IPC Medium Density"
  rect 0.85x0.25 smd: 1(-2.425,1.75) 2(-2.425,1.25) 3(-2.425,0.75) 4(-2.425,0.25) 5(-2.425,-0.25) 6(-2.425,-0.75) 7(-2.425,-1.25) 8(-2.425,-1.75) 17(2.425,-1.75) 18(2.425,-1.25) 19(2.425,-0.75) 20(2.425,-0.25) 21(2.425,0.25) 22(2.425,0.75) 23(2.425,1.25) 24(2.425,1.75)
  rect 0.25x0.85 smd: 9(-1.75,-2.425) 10(-1.25,-2.425) 11(-0.75,-2.425) 12(-0.25,-2.425) 13(0.25,-2.425) 14(0.75,-2.425) 15(1.25,-2.425) 16(1.75,-2.425) 25(1.75,2.425) 26(1.25,2.425) 27(0.75,2.425) 28(0.25,2.425) 29(-0.25,2.425) 30(-0.75,2.425) 31(-1.25,2.425) 32(-1.75,2.425)
  rect 3.65x3.65 smd: 33(0,0)
  silkscreen extent -3.47,-2.7 2.7,2.7, body extent -2.57,-2.57 2.57,2.57, height 0.8
RESC1005X40X25NL05T05 [mm] "Chip Resistor, 2-Leads, Body 1.00x0.50mm, IPC Medium Density"
  rect 0.55x0.55 smd: 1(-0.45,0) 2(0.45,0)
  body extent -0.53,-0.27 0.53,0.28, height 0.4
RESC1005X40X25NL05T10 [mm] "Chip Resistor, 2-Leads, Body 1.00x0.50mm, IPC Medium Density"
  rect 0.6x0.55 smd: 1(-0.425,0) 2(0.425,0)
  body extent -0.53,-0.27 0.53,0.28, height 0.4
TP_MED [mil]
  round 60 hole 40: 1(0,0)